# KiCad board Duet3_MB.kicad_pcb (continued)
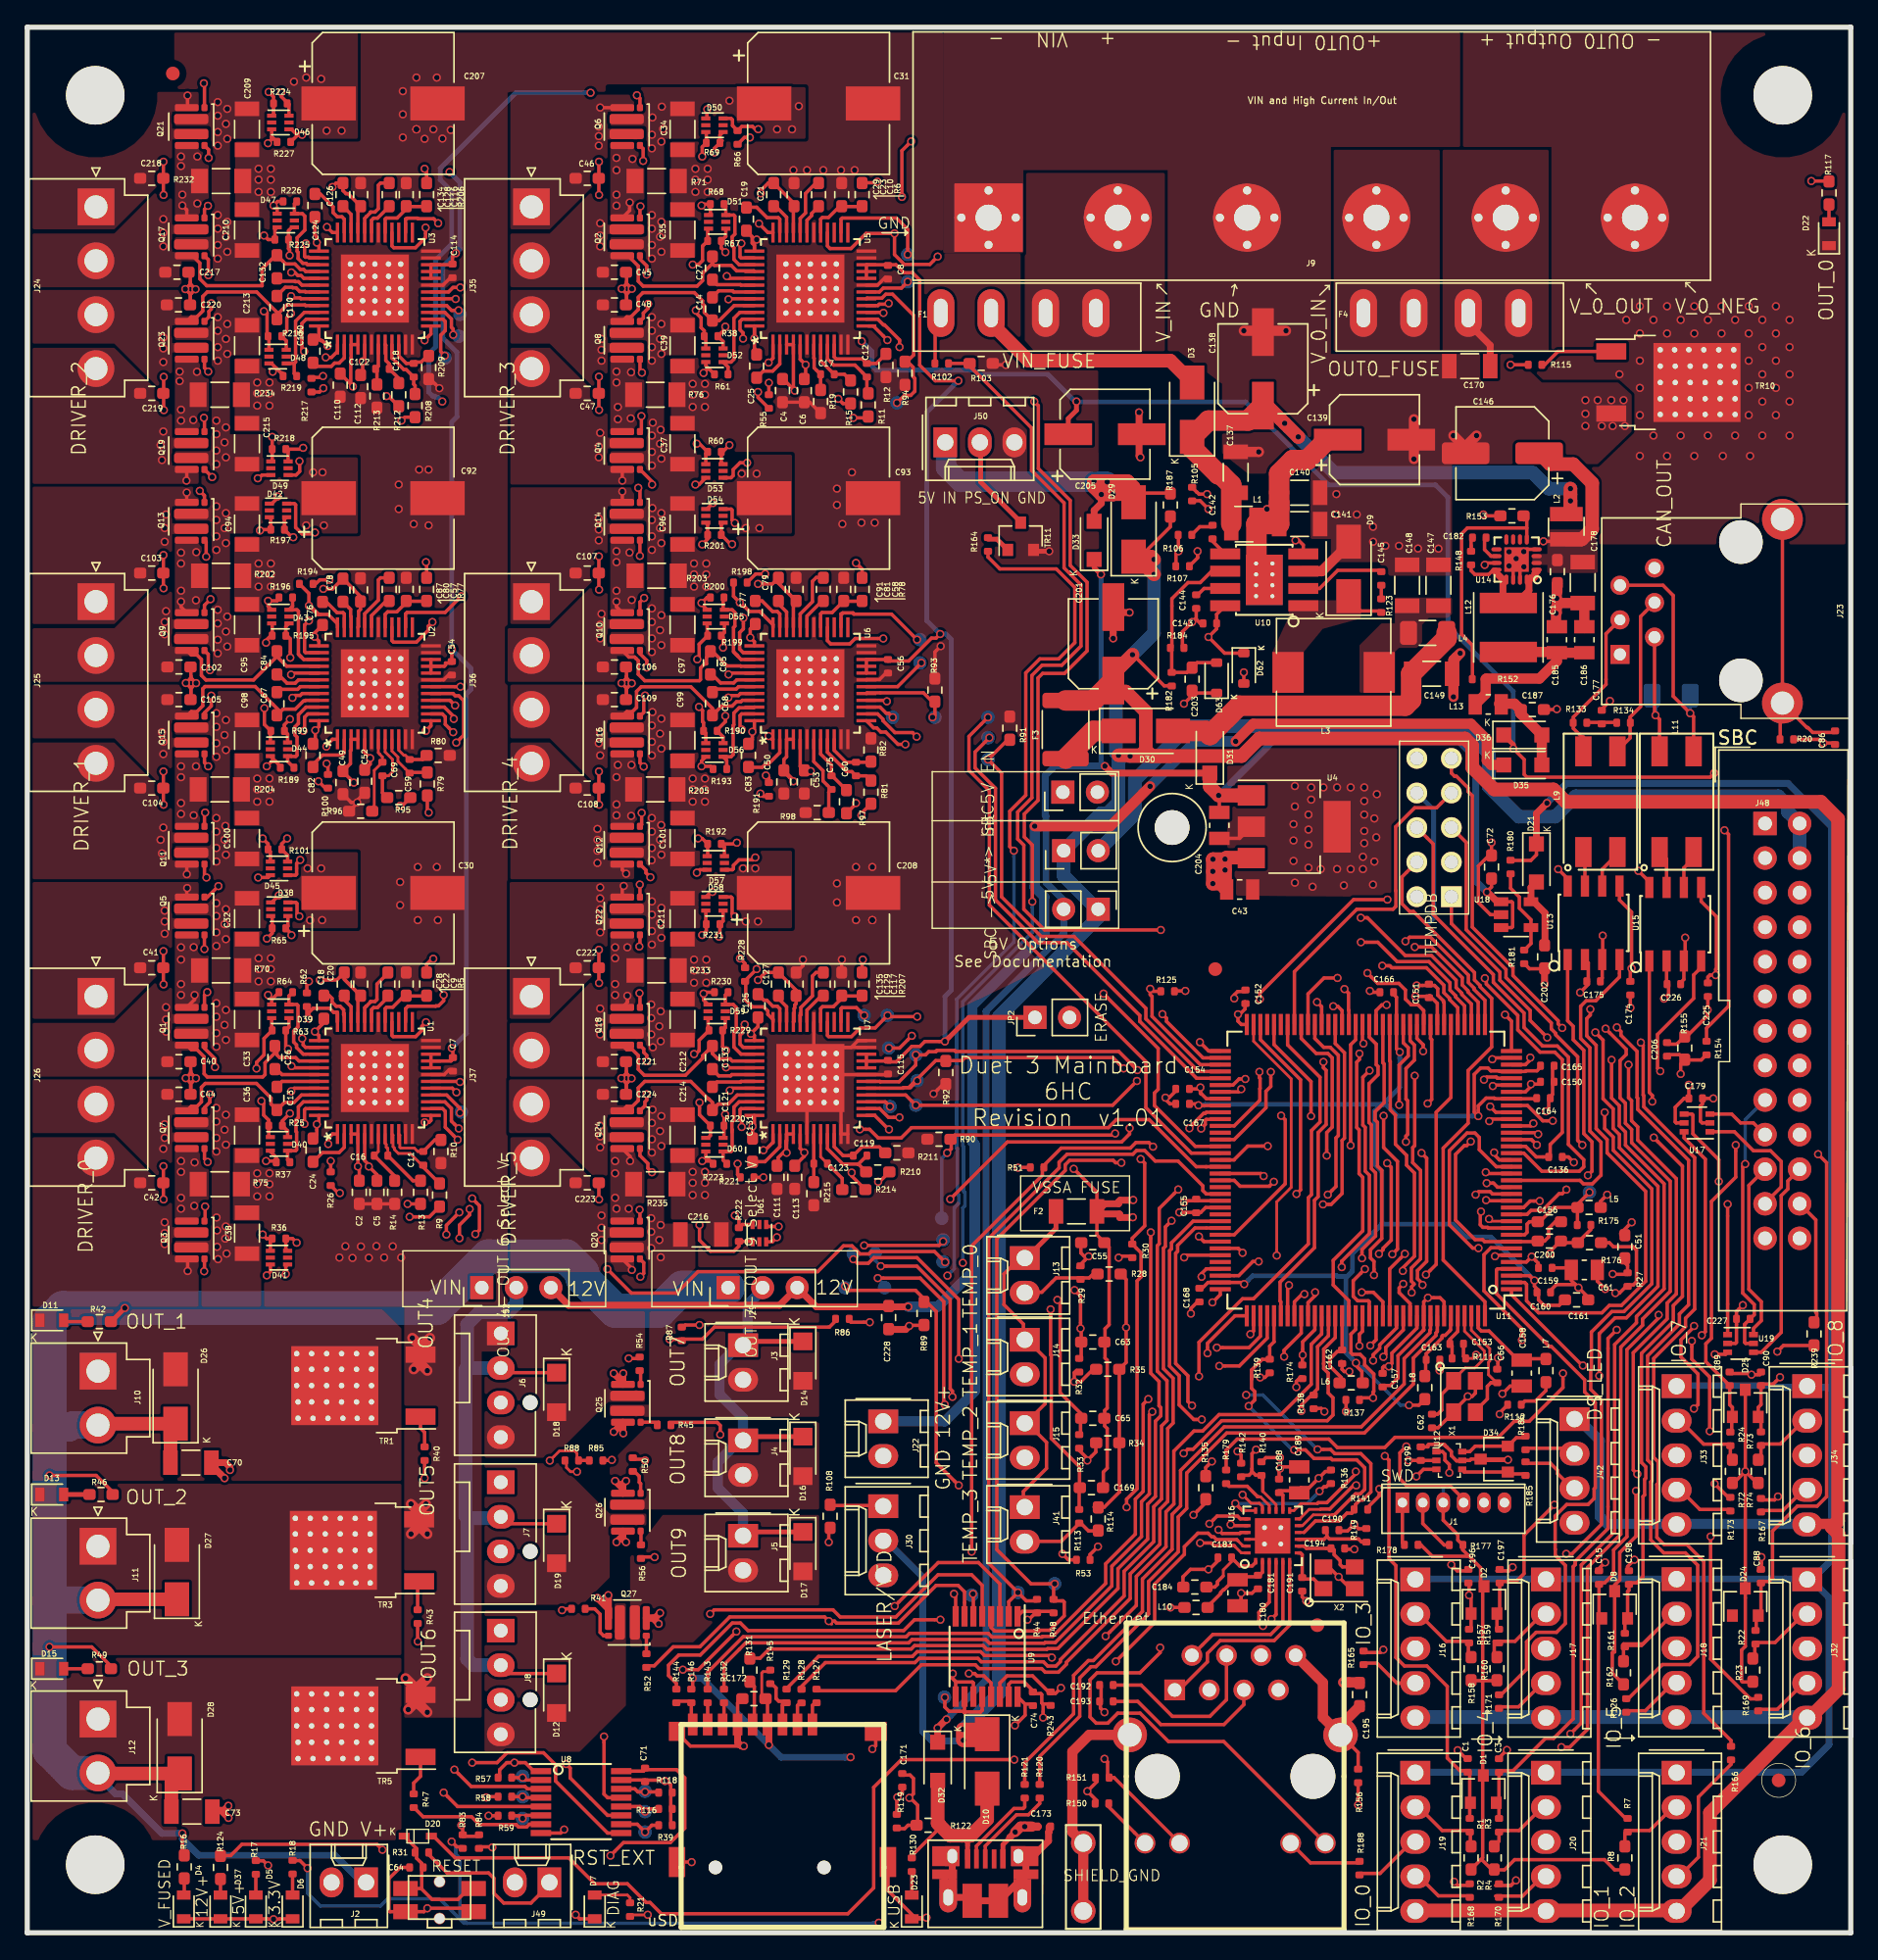
[diagram p0: board, top side]
## Footprints (pads in the part's own frame, mm; a bottom-side part is the same pattern mirrored in y, then rotated) (continued)
TestPoint_Pad_D1.0mm
  round 1 smd: 1(0,0)
TMC5160-TA
  rect 1.462x0.239 smd: 1(-4.115,2.75) 2(-4.115,2.25) 3(-4.115,1.75) 4(-4.115,1.25) 5(-4.115,0.75) 6(-4.115,0.25) 7(-4.115,-0.25) 8(-4.115,-0.75) 9(-4.115,-1.25) 10(-4.115,-1.75) 11(-4.115,-2.25) 12(-4.115,-2.75) 25(4.115,-2.75) 26(4.115,-2.25) 27(4.115,-1.75) 28(4.115,-1.25) 29(4.115,-0.75) 30(4.115,-0.25) 31(4.115,0.25) 32(4.115,0.75) 33(4.115,1.25) 34(4.115,1.75) 35(4.115,2.25) 36(4.115,2.75)
  rect 0.239x1.462 smd: 13(-2.75,-4.115) 14(-2.25,-4.115) 15(-1.75,-4.115) 16(-1.25,-4.115) 17(-0.75,-4.115) 18(-0.25,-4.115) 19(0.25,-4.115) 20(0.75,-4.115) 21(1.25,-4.115) 22(1.75,-4.115) 23(2.25,-4.115) 24(2.75,-4.115) 37(2.75,4.115) 38(2.25,4.115) 39(1.75,4.115) 40(1.25,4.115) 41(0.75,4.115) 42(0.25,4.115) 43(-0.25,4.115) 44(-0.75,4.115) 45(-1.25,4.115) 46(-1.75,4.115) 47(-2.25,4.115) 48(-2.75,4.115)
  round 0.6 hole 0.4: EPAD(-1.8,1.8) EPAD(-1.8,0.9) EPAD(-1.8,0) EPAD(-1.8,-1) EPAD(-1.8,-1.9) EPAD(-0.9,1.8) EPAD(-0.9,0.9) EPAD(-0.9,0) EPAD(-0.9,-1) EPAD(-0.9,-1.9) EPAD(0,1.8) EPAD(0,0.9) EPAD(0,0) EPAD(0,-1) EPAD(0,-1.9) EPAD(0.9,1.8) EPAD(0.9,0.9) EPAD(0.9,0) EPAD(0.9,-1) EPAD(0.9,-1.9) EPAD(1.8,1.8) EPAD(1.8,0.9) EPAD(1.8,0) EPAD(1.8,-1) EPAD(1.8,-1.9)
  rect 5.004x5.004 smd: EPAD(0,0)
TO-252-2_vias
  rect 3.05x2.75 smd: (0.425,1.525) (0.425,-1.525) (3.775,1.525) (3.775,-1.525)
  rect 2.2x1.2 smd: 1(-4.2,2.28) 3(-4.2,-2.28)
  round 0.6 hole 0.4: 2(-0.6,2.4) 2(-0.6,1.2) 2(-0.6,0) 2(-0.6,-1.2) 2(-0.6,-2.35) 2(0.45,2.4) 2(0.5,1.2) 2(0.5,0) 2(0.5,-1.2) 2(0.5,-2.35) 2(1.5,2.4) 2(1.6,1.2) 2(1.6,0) 2(1.6,-1.2) 2(1.6,-2.35) 2(2.6,2.4) 2(2.7,1.2) 2(2.7,0) 2(2.7,-1.2) 2(2.7,-2.35) 2(3.7,2.4) 2(3.8,1.2) 2(3.8,0) 2(3.8,-1.2) 2(3.8,-2.35) 2(4.8,2.4) 2(4.8,1.2) 2(4.9,0) 2(4.9,-1.2) 2(4.9,-2.35)
  rect 6.4x5.8 smd: 2(2.1,0)
TSSOP-16_4.4x5mm_P0.65mm
  rect 1.5x0.45 smd: 1(-2.95,2.275) 2(-2.95,1.625) 3(-2.95,0.975) 4(-2.95,0.325) 5(-2.95,-0.325) 6(-2.95,-0.975) 7(-2.95,-1.625) 8(-2.95,-2.275) 9(2.95,-2.275) 10(2.95,-1.625) 11(2.95,-0.975) 12(2.95,-0.325) 13(2.95,0.325) 14(2.95,0.975) 15(2.95,1.625) 16(2.95,2.275)
uSD_SKT
  round 1 hole 1 unplated: (-4.93,0) (3.051,0)
  rect 0.701x1.6 smd: 1(2.2,10.5) 2(1.1,10.5) 3(0,10.5) 4(-1.1,10.5) 5(-2.2,10.5) 6(-3.299,10.5) 7(-4.399,10.5) 8(-5.499,10.5) 9(-6.599,10.5)
  rect 1.199x1.4 smd: G(-7.75,10)
  rect 1.199x2.2 smd: G(-7.75,0.399) G(7.75,0.399)
  rect 1.6x1.4 smd: G(6.85,10)
uUSB_new
  rect 0.4x1.4 smd: 1(-1.3,2.825) 5(1.3,2.825)
  rect 0.34x1.4 smd: 2(-0.65,2.825) 3(0,2.825) 4(0.65,2.825)
  rect 1.825x0.7 smd: CE(-2.987,1.7) CE(2.987,1.7)
  rect 2x1.46 smd: CE(-2.9,3.03) CE(2.9,3.03)
  rect 1.3x0.8 smd: CE(-2.725,0.95) CE(2.725,0.95)
  oval 1.3x2.2 hole 0.711x1.2: CE(-2.725,0) CE(2.725,0)
  rect 1.05x1.46 hole 0.711x1.05: CE(-2.425,3.03) CE(2.425,3.03)
  rect 1.425x2.5 smd: CE(-0.963,-0.25) CE(0.963,-0.25)
Wurth_61900211121-1x02_P2.54mm_Vertical-(Molex_KK-254_AE-6410-02Acompatible)
  rect 1.74x2.2 hole 1.2: 1(-1.27,0)
  oval 1.74x2.2 hole 1.2: 2(1.27,0)
Wurth_61900311121-1x03_P2.54mm_Vertical(Molex_KK-254_AE-6410-03A_Compatible)
  rect 1.74x2.2 hole 1.2: 1(-2.54,0)
  oval 1.74x2.2 hole 1.2: 2(0,0) 3(2.54,0)
Wurth_61900411121-1x04_P2.54mm_Vertical(Molex_KK-254_AE-6410-04A_Compatible)
  rect 1.74x2.2 hole 1.2: 1(-3.81,0)
  oval 1.74x2.2 hole 1.2: 2(-1.27,0) 3(1.27,0) 4(3.81,0)
Wurth_61900511121-1x05_P2.54mm_Vertical(Molex_KK-254_AE-6410-05A_Compatibe)
  rect 1.74x2.2 hole 1.2: 1(-5.08,0)
  oval 1.74x2.2 hole 1.2: 2(-2.54,0) 3(0,0) 4(2.54,0) 5(5.08,0)

## Nets
3.3V_EXT: D21.1 J16.1 J17.1 J18.1 J19.1 J20.1 J21.1 J32.1 J33.1 J34.1 R180.1
5V_EXT: C201.1 D10.1 D29.1 F3.1 J16.5 J17.5 J18.5 J19.5 J20.5 J21.5 J30.2 J32.5 J33.5 J34.5 J42.1 JP4.1 JP5.1 R182.1 R187.1
5V_EXT_INPUT: D29.2 D33.2 J50.1 R187.2
5V_INT: C71.1 C72.1 C74.1 C175.1 C199.1 C203.1 C204.1 C226.1 D31.1 D32.1 D33.1 D34.3 D63.1 JP5.2 R17.1 U4.1 U8.16 U9.16 U12.5 U13.3 U15.3 U18.1 U18.3
5V_SBC: J48.2 J48.4 JP4.2
12V_EXT: C228.1 D35.1 J22.1 J29.3 J52.3 R124.1
12V_MON: C206.1 R154.2 R155.1 U11.27
12V_VG: C2.2 C4.2 C49.2 C50.2 C110.2 C111.2 C205.1 D36.1 R154.1 U1.3 U1.4 U2.3 U2.4 U3.3 U3.4 U5.3 U5.4 U6.3 U6.4 U7.3 U7.4
+3.3V: C7.2 C8.2 C43.1 C54.2 C56.2 C61.1 C114.2 C115.2 C150.1 C151.1 C152.1 C154.1 C155.1 C157.1 C159.1 C172.1 C174.1 C179.1 C188.1 C189.1 C225.1 D1.3 D2.3 D8.3 D24.3 D25.3 J1.3 J27.4 J28.8 JP2.1 L5.1 L10.1 R2.2 R4.2 R8.2 R18.1 R23.2 R30.2 R72.2 R74.2 R83.2 R87.2 R88.2 R112.1 R125.2 R136.1 R139.1 R140.2 R141.1 R145.2 R146.2 R150.1 R151.1 R158.2 R160.2 R162.2 R177.2 R178.2 U1.20 U1.21 U1.22 U2.20 U2.21 U2.22 U3.20 U3.21 U3.22 U4.3 U5.20 U5.21 U5.22 U6.20 U6.21 U6.22 U7.20 U7.21 U7.22 U11.5 U11.30 U11.43 U11.72 U11.80 U11.96 U11.134 U13.5 U15.5 U16.14 U17.5
/Power/3V3_EXT_ADJ: R180.2 R181.1 U18.4
/Power/3V3_EXT_OUT: C202.1 D21.2 U18.5
/Power/5V_common: C149.1 D30.2 D31.2 L4.1
/Power/5VIN_BUCK_BS: C145.2 U10.2
/Power/5VIN_BUCK_COMP: C142.1 U10.5
/Power/5VIN_BUCK_EN: C143.1 D62.1 JP1.2 U10.8
/Power/5VIN_BUCK_FB: C203.2 D63.2 R182.2 R184.1 U10.6
/Power/5VIN_BUCK_FSW: R107.1 U10.4
/Power/5VIN_BUCK_IN: C139.1 C140.1 C141.1 L1.1 R105.1 U10.9
/Power/5VIN_BUCK_SS: C144.2 U10.7
/Power/12V_BST: C182.2 U14.10
/Power/12V_FB: R152.2 R153.1 U14.5
/Power/12V_VCC: C146.1 C176.1 C178.1 L2.1 U14.2 U14.3 U14.11
/Power/12V_VSW: L12.2 R148.2 U14.1 U14.12 U14.13 U14.16
/Processor/VDDCORE: C160.1 C161.1 C164.1 C165.1 C166.1 C167.1 C168.1 L6.2 L8.2 U11.3 U11.29 U11.33 U11.50 U11.81 U11.107
/Processor/VDDPLL: C162.1 L6.1 U11.123
/Processor/VDDPLLUSB: C158.1 L7.1 U11.143
/Processor/VDDUTMIC: C163.1 L8.1 U11.139
/sheet5B64A4E5/VDD_1V2: C183.1 C184.1 U16.1
/sheet5B64A4E5/VDDA_3V3: C180.1 C181.1 L10.2 U16.2
GND: C1.2 C2.1 C3.2 C4.1 C5.1 C6.1 C7.1 C8.1 C9.1 C10.1 C15.2 C28.2 C29.2 C30.2 C31.2 C32.1 C33.1 C34.1 C35.1 C36.1 C37.1 C38.1 C39.1 C40.1 C41.1 C42.1 C43.2 C44.1 C45.1 C46.1 C47.1 C48.1 C49.1 C50.1 C51.2 C52.1 C53.1 C54.1 C56.1 C57.1 C58.1 C61.2 C62.2 C64.2 C66.2 C70.2 C71.2 C72.2 C73.2 C74.2 C86.2 C87.2 C88.2 C89.2 C90.2 C91.2 C92.2 C93.2 C94.1 C95.1 C96.1 C97.1 C98.1 C99.1 C100.1 C101.1 C102.1 C103.1 C104.1 C105.1 C106.1 C107.1 C108.1 C109.1 C110.1 C111.1 C112.1 C113.1 C114.1 C115.1 C116.1 C117.1 C134.2 C135.2 C136.2 C137.2 C138.2 C139.2 C140.2 C141.2 C143.2 C144.1 C146.2 C147.2 C148.2 C149.2 C150.2 C151.2 C152.2 C153.2 C154.2 C155.2 C157.2 C158.2 C159.2 C160.2 C161.2 C162.2 C163.2 C164.2 C165.2 C166.2 C167.2 C168.2 C170.2 C171.2 C172.2 C173.2 C174.2 C175.2 C176.2 C177.1 C178.2 C179.2 C180.2 C181.2 C183.2 C184.2 C185.2 C186.2 C187.2 C188.2 C189.2 C190.1 C191.1 C192.2 C193.2 C194.1 C195.1 C196.2 C197.2 C198.2 C199.2 C201.2 C202.2 C204.2 C205.2 C206.2 C207.2 C208.2 C209.1 C210.1 C211.1 C212.1 C213.1 C214.1 C215.1 C216.1 C217.1 C218.1 C219.1 C220.1 C221.1 C222.1 C223.1 C224.1 C225.2 C226.2 C227.2 C228.2 D4.1 D5.1 D6.1 D7.1 D9.2 D23.1 D37.1 D62.2 J1.6 J2.2 J6.1 J7.1 J8.1 J9.1 J9.3 J16.3 J17.3 J18.3 J19.3 J20.3 J21.3 J22.2 J27.6 J27.G J28.2 J30.3 J32.3 J33.3 J34.3 J42.4 J43.5 J48.6 J48.9 J48.14 J48.20 J48.25 J49.2 J50.3 NT1.2 NT2.2 Q25.2 Q25.3 Q26.2 Q26.3 Q27.2 Q27.3 R10.2 R12.2 R14.2 R19.2 R20.2 R39.1 R44.1 R48.1 R51.1 R53.1 R57.1 R58.1 R59.1 R70.1 R71.1 R75.1 R76.1 R80.2 R82.2 R89.2 R90.2 R91.2 R92.2 R93.2 R94.2 R96.2 R98.2 R103.2 R106.2 R107.2 R111.1 R116.1 R118.1 R119.2 R135.2 R137.2 R138.2 R142.2 R149.2 R153.2 R155.2 R156.1 R174.2 R181.2 R184.2 R188.2 R202.1 R203.1 R204.1 R205.1 R209.2 R211.2 R213.2 R215.2 R232.1 R233.1 R234.1 R235.1 R243.1 S1.1 S1.2 TR1.3 TR3.3 TR5.3 TR10.3 TR11.2 U1.6 U1.11 U1.12 U1.19 U1.23 U1.24 U1.30 U1.EPAD U2.6 U2.11 U2.12 U2.19 U2.23 U2.24 U2.30 U2.EPAD U3.6 U3.11 U3.12 U3.19 U3.23 U3.24 U3.30 U3.EPAD U4.2 U4.4 U5.6 U5.11 U5.12 U5.19 U5.23 U5.24 U5.30 U5.EPAD U6.6 U6.11 U6.12 U6.19 U6.23 U6.24 U6.30 U6.EPAD U7.6 U7.11 U7.12 U7.19 U7.23 U7.24 U7.30 U7.EPAD U8.1 U8.8 U8.15 U9.1 U9.8 U9.15 U10.3 U11.44 U11.61 U11.95 U11.115 U11.135 U11.138 U12.2 U13.2 U13.8 U14.4 U14.14 U14.15 U14.17 U15.2 U15.8 U16.22 U16.25 U17.2 U18.2 U19.2 X1.2 X1.4 X2.2 X2.4
VBUS: D10.2 D32.2 J43.1 R122.1 R130.1
VBUS_DETECT: C171.1 R119.1 R122.2 U11.122
VIN_POWER_MON: C136.1 R102.2 R103.1 U11.22
VSSA: F2.1 J13.1 J14.1 J15.1 J41.1 R27.1 R176.2
VSSA_MON: C51.1 R27.2 U11.19
/Headers/CAN_SHD_GND: C86.1 J23.7 J23.8 R20.1
/MOSFET outputs/out4_g: Q25.1 R54.1
/MOSFET outputs/out5_g: Q26.4 R56.1
/MOSFET outputs/out6_g: Q27.4 R41.1
/MOSFET outputs/out7_g: Q25.4 R45.1
/MOSFET outputs/out8_g: Q26.1 R50.1
/MOSFET outputs/out9_g: Q27.1 R52.1
/MOSFET outputs/TR1_G: R40.1 TR1.1
/MOSFET outputs/TR3_G: R43.1 TR3.1
/MOSFET outputs/TR5_G: R47.1 TR5.1
/MOSFET outputs/TR10_G: R115.1 TR10.1
/MOSFET outputs/U12_OUTA: D34.2 R186.2 U12.6
/MOSFET outputs/U12_OUTB: D34.1 R185.2 U12.4
/Power/12_VOUT: C185.1 C186.1 L12.1 L13.2 R152.1
/Power/COMP_CAP_R: C142.2 R106.1
/Power/EN_JP_1: JP1.1 R105.2
/Power/L3_OUT: C147.1 C148.1 L3.1 L4.2
/Power/L9_OUT: C187.1 D35.2 D36.2 L13.1
/Power/LX: D9.1 L3.2 R123.1 U10.1
/Power/TR11_G: R164.1 TR11.1
/Processor/io0_out: R168.1 U11.53
/Processor/io1_out: R170.1 U11.78
/Processor/io2_out: R166.1 U11.47
/Processor/io3_out: R165.1 U11.91
/Processor/io4_out: R171.2 U11.4
/Processor/io5_out: R126.1 U11.63
/Processor/io6_out: R169.1 U11.102
/Processor/io7_out: R173.2 U11.127
/Processor/io8_out: R167.1 U11.6
/Processor/NC_JSEL: U11.104
/Processor/NC_TST: U11.85
/Processor/rst: C64.1 D20.1 R31.2 S1.3 S1.4
/Processor/VBG: C153.1 R111.2 U11.140
/Processor/XIN: C66.1 U11.142 X1.3
/Processor/XOUT: C62.1 U11.141 X1.1
/sheet5B64A4E5/CAN1H_C: L9.1 U13.7
/sheet5B64A4E5/CAN1L_C: L9.2 U13.6
/sheet5B64A4E5/CLK: J27.5 R131.1
/sheet5B64A4E5/CMD: J27.3 R129.1 R145.1
/sheet5B64A4E5/DAT0: J27.7 R132.1
/sheet5B64A4E5/DAT1: J27.8 R143.1
/sheet5B64A4E5/DAT2: J27.1 R127.1
/sheet5B64A4E5/DAT3: J27.2 R128.1
/sheet5B64A4E5/LED0: J46.10 R151.2 U16.23
/sheet5B64A4E5/RD+: J46.3 U16.4
/sheet5B64A4E5/RD-: J46.6 U16.3
/sheet5B64A4E5/REF_CLK: R179.2 U16.16
/sheet5B64A4E5/REXT: C190.2 R149.1 U16.9
/sheet5B64A4E5/SD_cd: J27.9 R144.1 R146.1
/sheet5B64A4E5/SHIELD_GND: C195.2 J45.1 J46.8 J46.13 J46.14 R156.2
/sheet5B64A4E5/TD+: J46.1 U16.6
/sheet5B64A4E5/TD-: J46.2 U16.5
/sheet5B64A4E5/XI: C194.2 U16.8 X2.3
/sheet5B64A4E5/XO: C191.2 U16.7 X2.1
/Stepper Driver & Endstops/D0_5VOUT: C5.2 R5.1 U1.5
/Stepper Driver & Endstops/D0_CA1: C26.2 U1.42
/Stepper Driver & Endstops/D0_CA2: C18.2 U1.35
/Stepper Driver & Endstops/D0_CB1: C24.2 U1.2
/Stepper Driver & Endstops/D0_CB2: C13.2 U1.43
/Stepper Driver & Endstops/D0_CPI: C22.2 U1.31
/Stepper Driver & Endstops/D0_CPO: C22.1 U1.32
/Stepper Driver & Endstops/D0_HA1: D39.4 R63.1 U1.41
/Stepper Driver & Endstops/D0_HA2: D38.6 R62.1 U1.36
/Stepper Driver & Endstops/D0_HAG1: D39.3 Q1.4 R63.2
/Stepper Driver & Endstops/D0_HAG2: D38.1 Q5.1 R62.2
/Stepper Driver & Endstops/D0_HB1: D41.4 R26.1 U1.1
/Stepper Driver & Endstops/D0_HB2: D40.6 R25.1 U1.44
/Stepper Driver & Endstops/D0_HBG1: D41.3 Q3.4 R26.2
/Stepper Driver & Endstops/D0_HBG2: D40.1 Q7.1 R25.2
/Stepper Driver & Endstops/D0_LA1: D39.6 R64.1 U1.39
/Stepper Driver & Endstops/D0_LA2: D38.4 R65.1 U1.38
/Stepper Driver & Endstops/D0_LAG1: D39.1 Q1.1 R64.2
/Stepper Driver & Endstops/D0_LAG2: D38.3 Q5.4 R65.2
/Stepper Driver & Endstops/D0_LB1: D41.6 R36.1 U1.47
/Stepper Driver & Endstops/D0_LB2: D40.4 R37.1 U1.46
/Stepper Driver & Endstops/D0_LBG1: D41.1 Q3.1 R36.2
/Stepper Driver & Endstops/D0_LBG2: D40.3 Q7.4 R37.2
/Stepper Driver & Endstops/D0_SRAH: C16.2 R13.1 U1.8
/Stepper Driver & Endstops/D0_SRAL: C16.1 R14.1 U1.7
/Stepper Driver & Endstops/D0_SRAT: Q1.2 Q5.3 R13.2 R70.2
/Stepper Driver & Endstops/D0_SRBH: C11.2 R9.1 U1.9
/Stepper Driver & Endstops/D0_SRBL: C11.1 R10.1 U1.10
/Stepper Driver & Endstops/D0_SRBT: Q3.2 Q7.3 R9.2 R75.2
/Stepper Driver & Endstops/D0_VCC: C9.2 R5.2 U1.29
/Stepper Driver & Endstops/D0_VCP: C20.1 U1.34
/Stepper Driver & Endstops/D1_5VOUT: C52.2 R77.1 U2.5
/Stepper Driver & Endstops/D1_CA1: C84.2 U2.42
/Stepper Driver & Endstops/D1_CA2: C76.2 U2.35
/Stepper Driver & Endstops/D1_CB1: C82.2 U2.2
/Stepper Driver & Endstops/D1_CB2: C67.2 U2.43
/Stepper Driver & Endstops/D1_CPI: C80.2 U2.31
/Stepper Driver & Endstops/D1_CPO: C80.1 U2.32
/Stepper Driver & Endstops/D1_HA1: D43.4 R195.1 U2.41
/Stepper Driver & Endstops/D1_HA2: D42.6 R194.1 U2.36
/Stepper Driver & Endstops/D1_HAG1: D43.3 Q9.4 R195.2
/Stepper Driver & Endstops/D1_HAG2: D42.1 Q13.1 R194.2
/Stepper Driver & Endstops/D1_HB1: D45.4 R100.1 U2.1
/Stepper Driver & Endstops/D1_HB2: D44.6 R99.1 U2.44
/Stepper Driver & Endstops/D1_HBG1: D45.3 Q11.4 R100.2
/Stepper Driver & Endstops/D1_HBG2: D44.1 Q15.1 R99.2
/Stepper Driver & Endstops/D1_LA1: D43.6 R196.1 U2.39
/Stepper Driver & Endstops/D1_LA2: D42.4 R197.1 U2.38
/Stepper Driver & Endstops/D1_LAG1: D43.1 Q9.1 R196.2
/Stepper Driver & Endstops/D1_LAG2: D42.3 Q13.4 R197.2
/Stepper Driver & Endstops/D1_LB1: D45.6 R101.1 U2.47
/Stepper Driver & Endstops/D1_LB2: D44.4 R189.1 U2.46
/Stepper Driver & Endstops/D1_LBG1: D45.1 Q11.1 R101.2
/Stepper Driver & Endstops/D1_LBG2: D44.3 Q15.4 R189.2
/Stepper Driver & Endstops/D1_SRAH: C69.2 R95.1 U2.8
/Stepper Driver & Endstops/D1_SRAL: C69.1 R96.1 U2.7
/Stepper Driver & Endstops/D1_SRAT: Q9.2 Q13.3 R95.2 R202.2
/Stepper Driver & Endstops/D1_SRBH: C59.2 R79.1 U2.9
/Stepper Driver & Endstops/D1_SRBL: C59.1 R80.1 U2.10
/Stepper Driver & Endstops/D1_SRBT: Q11.2 Q15.3 R79.2 R204.2
/Stepper Driver & Endstops/D1_VCC: C57.2 R77.2 U2.29
/Stepper Driver & Endstops/D1_VCP: C78.1 U2.34
/Stepper Driver & Endstops/D2_5VOUT: C112.2 R206.1 U3.5
/Stepper Driver & Endstops/D2_CA1: C132.2 U3.42
/Stepper Driver & Endstops/D2_CA2: C124.2 U3.35
/Stepper Driver & Endstops/D2_CB1: C130.2 U3.2
/Stepper Driver & Endstops/D2_CB2: C120.2 U3.43
/Stepper Driver & Endstops/D2_CPI: C128.2 U3.31
/Stepper Driver & Endstops/D2_CPO: C128.1 U3.32
/Stepper Driver & Endstops/D2_HA1: D47.4 R225.1 U3.41
/Stepper Driver & Endstops/D2_HA2: D46.6 R224.1 U3.36
/Stepper Driver & Endstops/D2_HAG1: D47.3 Q17.4 R225.2
/Stepper Driver & Endstops/D2_HAG2: D46.1 Q21.1 R224.2
/Stepper Driver & Endstops/D2_HB1: D49.4 R217.1 U3.1
/Stepper Driver & Endstops/D2_HB2: D48.6 R216.1 U3.44
/Stepper Driver & Endstops/D2_HBG1: D49.3 Q19.4 R217.2
/Stepper Driver & Endstops/D2_HBG2: D48.1 Q23.1 R216.2
/Stepper Driver & Endstops/D2_LA1: D47.6 R226.1 U3.39
/Stepper Driver & Endstops/D2_LA2: D46.4 R227.1 U3.38
/Stepper Driver & Endstops/D2_LAG1: D47.1 Q17.1 R226.2
/Stepper Driver & Endstops/D2_LAG2: D46.3 Q21.4 R227.2
/Stepper Driver & Endstops/D2_LB1: D49.6 R218.1 U3.47
/Stepper Driver & Endstops/D2_LB2: D48.4 R219.1 U3.46
/Stepper Driver & Endstops/D2_LBG1: D49.1 Q19.1 R218.2
/Stepper Driver & Endstops/D2_LBG2: D48.3 Q23.4 R219.2
/Stepper Driver & Endstops/D2_SRAH: C122.2 R212.1 U3.8
/Stepper Driver & Endstops/D2_SRAL: C122.1 R213.1 U3.7
/Stepper Driver & Endstops/D2_SRAT: Q17.2 Q21.3 R212.2 R232.2
/Stepper Driver & Endstops/D2_SRBH: C118.2 R208.1 U3.9
/Stepper Driver & Endstops/D2_SRBL: C118.1 R209.1 U3.10
/Stepper Driver & Endstops/D2_SRBT: Q19.2 Q23.3 R208.2 R234.2
/Stepper Driver & Endstops/D2_VCC: C116.2 R206.2 U3.29
/Stepper Driver & Endstops/D2_VCP: C126.1 U3.34
/Stepper Driver & Endstops/D3_5VOUT: C6.2 R6.1 U5.5
/Stepper Driver & Endstops/D3__SRBL: C12.1 R12.1 U5.10
/Stepper Driver & Endstops/D3_CA1: C27.2 U5.42
/Stepper Driver & Endstops/D3_CA2: C19.2 U5.35
/Stepper Driver & Endstops/D3_CB1: C25.2 U5.2
/Stepper Driver & Endstops/D3_CB2: C14.2 U5.43
/Stepper Driver & Endstops/D3_CPI: C23.2 U5.31
/Stepper Driver & Endstops/D3_CPO: C23.1 U5.32
/Stepper Driver & Endstops/D3_HA1: D51.4 R67.1 U5.41
/Stepper Driver & Endstops/D3_HA2: D50.6 R66.1 U5.36
/Stepper Driver & Endstops/D3_HAG1: D51.3 Q2.4 R67.2
/Stepper Driver & Endstops/D3_HAG2: D50.1 Q6.1 R66.2
/Stepper Driver & Endstops/D3_HB1: D53.4 R55.1 U5.1
/Stepper Driver & Endstops/D3_HB2: D52.6 R38.1 U5.44
/Stepper Driver & Endstops/D3_HBG1: D53.3 Q4.4 R55.2
/Stepper Driver & Endstops/D3_HBG2: D52.1 Q8.1 R38.2
/Stepper Driver & Endstops/D3_LA1: D51.6 R68.1 U5.39
/Stepper Driver & Endstops/D3_LA2: D50.4 R69.1 U5.38
/Stepper Driver & Endstops/D3_LAG1: D51.1 Q2.1 R68.2
/Stepper Driver & Endstops/D3_LAG2: D50.3 Q6.4 R69.2
/Stepper Driver & Endstops/D3_LB1: D53.6 R60.1 U5.47
/Stepper Driver & Endstops/D3_LB2: D52.4 R61.1 U5.46
/Stepper Driver & Endstops/D3_LBG1: D53.1 Q4.1 R60.2
/Stepper Driver & Endstops/D3_LBG2: D52.3 Q8.4 R61.2
/Stepper Driver & Endstops/D3_SRAH: C17.2 R15.1 U5.8
/Stepper Driver & Endstops/D3_SRAL: C17.1 R19.1 U5.7
/Stepper Driver & Endstops/D3_SRAT: Q2.2 Q6.3 R15.2 R71.2
/Stepper Driver & Endstops/D3_SRBH: C12.2 R11.1 U5.9
/Stepper Driver & Endstops/D3_SRBT: Q4.2 Q8.3 R11.2 R76.2
/Stepper Driver & Endstops/D3_VCC: C10.2 R6.2 U5.29
/Stepper Driver & Endstops/D3_VCP: C21.1 U5.34
/Stepper Driver & Endstops/D4_5VOUT: C53.2 R78.1 U6.5
/Stepper Driver & Endstops/D4__HAG1: D55.3 Q10.4 R199.2
/Stepper Driver & Endstops/D4_CA1: C85.2 U6.42
/Stepper Driver & Endstops/D4_CA2: C77.2 U6.35
/Stepper Driver & Endstops/D4_CB1: C83.2 U6.2
/Stepper Driver & Endstops/D4_CB2: C68.2 U6.43
/Stepper Driver & Endstops/D4_CPI: C81.2 U6.31
/Stepper Driver & Endstops/D4_CPO: C81.1 U6.32
/Stepper Driver & Endstops/D4_HA1: D55.4 R199.1 U6.41
/Stepper Driver & Endstops/D4_HA2: D54.6 R198.1 U6.36
/Stepper Driver & Endstops/D4_HAG2: D54.1 Q14.1 R198.2
/Stepper Driver & Endstops/D4_HB1: D57.4 R191.1 U6.1
/Stepper Driver & Endstops/D4_HB2: D56.6 R190.1 U6.44
/Stepper Driver & Endstops/D4_HBG1: D57.3 Q12.4 R191.2
/Stepper Driver & Endstops/D4_HBG2: D56.1 Q16.1 R190.2
/Stepper Driver & Endstops/D4_LA1: D55.6 R200.1 U6.39
/Stepper Driver & Endstops/D4_LA2: D54.4 R201.1 U6.38
/Stepper Driver & Endstops/D4_LAG1: D55.1 Q10.1 R200.2
/Stepper Driver & Endstops/D4_LAG2: D54.3 Q14.4 R201.2
/Stepper Driver & Endstops/D4_LB1: D57.6 R192.1 U6.47
/Stepper Driver & Endstops/D4_LB2: D56.4 R193.1 U6.46
/Stepper Driver & Endstops/D4_LBG1: D57.1 Q12.1 R192.2
/Stepper Driver & Endstops/D4_LBG2: D56.3 Q16.4 R193.2
/Stepper Driver & Endstops/D4_SRAH: C75.2 R97.1 U6.8
/Stepper Driver & Endstops/D4_SRAL: C75.1 R98.1 U6.7
/Stepper Driver & Endstops/D4_SRAT: Q10.2 Q14.3 R97.2 R203.2
/Stepper Driver & Endstops/D4_SRBH: C60.2 R81.1 U6.9
/Stepper Driver & Endstops/D4_SRBL: C60.1 R82.1 U6.10
/Stepper Driver & Endstops/D4_SRBT: Q12.2 Q16.3 R81.2 R205.2
/Stepper Driver & Endstops/D4_VCC: C58.2 R78.2 U6.29
/Stepper Driver & Endstops/D4_VCP: C79.1 U6.34
/Stepper Driver & Endstops/D5_5VOUT: C113.2 R207.1 U7.5
/Stepper Driver & Endstops/D5_CA1: C133.2 U7.42
/Stepper Driver & Endstops/D5_CA2: C125.2 U7.35
/Stepper Driver & Endstops/D5_CB1: C131.2 U7.2
/Stepper Driver & Endstops/D5_CB2: C121.2 U7.43
/Stepper Driver & Endstops/D5_CPI: C129.2 U7.31
/Stepper Driver & Endstops/D5_CPO: C129.1 U7.32
/Stepper Driver & Endstops/D5_HA1: D59.4 R229.1 U7.41
/Stepper Driver & Endstops/D5_HA2: D58.6 R228.1 U7.36
/Stepper Driver & Endstops/D5_HAG1: D59.3 Q18.4 R229.2
/Stepper Driver & Endstops/D5_HAG2: D58.1 Q22.1 R228.2
/Stepper Driver & Endstops/D5_HB1: D61.4 R221.1 U7.1
/Stepper Driver & Endstops/D5_HB2: D60.6 R220.1 U7.44
/Stepper Driver & Endstops/D5_HBG1: D61.3 Q20.4 R221.2
/Stepper Driver & Endstops/D5_HBG2: D60.1 Q24.1 R220.2
/Stepper Driver & Endstops/D5_LA1: D59.6 R230.1 U7.39
/Stepper Driver & Endstops/D5_LA2: D58.4 R231.1 U7.38
/Stepper Driver & Endstops/D5_LAG1: D59.1 Q18.1 R230.2
/Stepper Driver & Endstops/D5_LAG2: D58.3 Q22.4 R231.2
/Stepper Driver & Endstops/D5_LB1: D61.6 R222.1 U7.47
/Stepper Driver & Endstops/D5_LB2: D60.4 R223.1 U7.46
/Stepper Driver & Endstops/D5_LBG1: D61.1 Q20.1 R222.2
/Stepper Driver & Endstops/D5_LBG2: D60.3 Q24.4 R223.2
/Stepper Driver & Endstops/D5_SRAH: C123.2 R214.1 U7.8
/Stepper Driver & Endstops/D5_SRAL: C123.1 R215.1 U7.7
/Stepper Driver & Endstops/D5_SRAT: Q18.2 Q22.3 R214.2 R233.2
/Stepper Driver & Endstops/D5_SRBH: C119.2 R210.1 U7.9
/Stepper Driver & Endstops/D5_SRBL: C119.1 R211.1 U7.10
/Stepper Driver & Endstops/D5_SRBT: Q20.2 Q24.3 R210.2 R235.2
/Stepper Driver & Endstops/D5_VCC: C117.2 R207.2 U7.29
/Stepper Driver & Endstops/D5_VCP: C127.1 U7.34
CAN0_H: J23.2 L11.4 R109.1
CAN0_L: J23.5 L11.3 R109.2
CAN1_H: J23.3 L9.4 R133.1
CAN1_L: J23.4 L9.3 R134.2
CANRX0: U11.31 U15.4
CANRX1: U11.17 U13.4
CANTX0: U11.26 U15.1
CANTX1: U11.92 U13.1
DIAG_LED: R21.1 U11.120
DRIVER_0_A+: C18.1 C41.2 J26.1 Q5.2 Q5.6 U1.37
DRIVER_0_A-: C26.1 C40.2 J26.2 Q1.3 Q1.5 U1.40
DRIVER_0_B+: C13.1 C44.2 J26.3 Q7.2 Q7.6 U1.45
DRIVER_0_B-: C24.1 C42.2 J26.4 Q3.3 Q3.5 U1.48
DRIVER_0_DIAG0: TP3.1 U1.26 U11.108
DRIVER_0_DIR: TP2.1 U1.18 U11.109
DRIVER_0_SDO: TP18.1 U1.16 U2.15
DRIVER_0_STEP: R89.1 TP1.1 U1.17 U11.111
DRIVER_1_A+: C76.1 C103.2 J25.1 Q13.2 Q13.6 U2.37
DRIVER_1_A-: C84.1 C102.2 J25.2 Q9.3 Q9.5 U2.40
DRIVER_1_B+: C67.1 C105.2 J25.3 Q15.2 Q15.6 U2.45
DRIVER_1_B-: C82.1 C104.2 J25.4 Q11.3 Q11.5 U2.48
DRIVER_1_DIAG0: TP6.1 U2.26 U11.103
DRIVER_1_DIR: TP5.1 U2.18 U11.101
DRIVER_1_SDO: TP19.1 U2.16 U3.15
DRIVER_1_STEP: R90.1 TP4.1 U2.17 U11.100
DRIVER_2_A+: C124.1 C218.2 J24.1 Q21.2 Q21.6 U3.37
DRIVER_2_A-: C132.1 C217.2 J24.2 Q17.3 Q17.5 U3.40
DRIVER_2_B+: C120.1 C220.2 J24.3 Q23.2 Q23.6 U3.45
DRIVER_2_B-: C130.1 C219.2 J24.4 Q19.3 Q19.5 U3.48
DRIVER_2_DIAG0: TP29.1 U3.26 U11.88
DRIVER_2_DIR: TP28.1 U3.18 U11.77
DRIVER_2_SDO: TP20.1 U3.16 U5.15
DRIVER_2_STEP: R91.1 TP17.1 U3.17 U11.76
DRIVER_3_A+: C19.1 C46.2 J35.1 Q6.2 Q6.6 U5.37
DRIVER_3_A-: C27.1 C45.2 J35.2 Q2.3 Q2.5 U5.40
DRIVER_3_B+: C14.1 C48.2 J35.3 Q8.2 Q8.6 U5.45
DRIVER_3_B-: C25.1 C47.2 J35.4 Q4.3 Q4.5 U5.48
DRIVER_3_DIAG0: TP32.1 U5.26 U11.39
DRIVER_3_DIR: TP31.1 U5.18 U11.37
DRIVER_3_SDO: TP21.1 U5.16 U6.15
DRIVER_3_STEP: R94.1 TP30.1 U5.17 U11.38
DRIVER_4_A+: C77.1 C107.2 J36.1 Q14.2 Q14.6 U6.37
DRIVER_4_A-: C85.1 C106.2 J36.2 Q10.3 Q10.5 U6.40
DRIVER_4_B+: C68.1 C109.2 J36.3 Q16.2 Q16.6 U6.45
DRIVER_4_B-: C83.1 C108.2 J36.4 Q12.3 Q12.5 U6.48
DRIVER_4_DIAG0: TP35.1 U6.26 U11.2
DRIVER_4_DIR: TP34.1 U6.18 U11.40
DRIVER_4_SDO: TP22.1 U6.16 U7.15
DRIVER_4_STEP: R93.1 TP33.1 U6.17 U11.41
DRIVER_5_A+: C125.1 C222.2 J37.1 Q22.2 Q22.6 U7.37
DRIVER_5_A-: C133.1 C221.2 J37.2 Q18.3 Q18.5 U7.40
DRIVER_5_B+: C121.1 C224.2 J37.3 Q24.2 Q24.6 U7.45
DRIVER_5_B-: C131.1 C223.2 J37.4 Q20.3 Q20.5 U7.48
DRIVER_5_DIAG0: TP38.1 U7.26 U11.90
DRIVER_5_DIR: TP37.1 U7.18 U11.84
DRIVER_5_STEP: R92.1 TP36.1 U7.17 U11.86
DRIVER_CS: TP24.1 U1.13 U2.13 U3.13 U5.13 U6.13 U7.13 U11.74
DRIVER_ENN: R125.1 TP23.1 U1.28 U2.28 U3.28 U5.28 U6.28 U7.28 U11.75
DS_LED_CK_BUFF: J42.3 R185.1
DS_LED_DO_BUFF: J42.2 R186.1
ERASE: JP2.2 U11.87
ETH_LED_Y: J46.12 U11.117
GMDC: R139.2 U11.113 U16.11
GMDIO: R141.2 U11.110 U16.10
GRX0: R137.1 U11.125 U16.13
GRX1: R138.1 U11.121 U16.12
GRXDV: R140.1 R142.1 U11.126 U16.15
GRXER: R174.1 U11.119 U16.17
GTX0: U11.131 U16.20
GTX1: U11.128 U16.21
GTXCK: R179.1 U11.1
GTXEN: U11.132 U16.19
HSDM: R121.2 U11.136
HSDP: R120.2 U11.137
IO_0: C1.1 D1.1 R1.1 U11.52
IO_0_IN: J19.2 R1.2 R2.1
IO_0_OUT: J19.4 R168.2
IO_1: C3.1 D1.2 R3.1 U11.106
IO_1_IN: J20.2 R3.2 R4.1
IO_1_OUT: J20.4 R170.2
IO_2: C15.1 D8.1 R7.1 U11.71
IO_2_IN: J21.2 R7.2 R8.1
IO_2_OUT: J21.4 R166.2
IO_3: C196.1 D2.1 R157.1 U11.28
IO_3_IN: J16.2 R157.2 R158.1
IO_3_OUT: J16.4 R165.2
IO_4: C197.1 D2.2 R159.1 U11.34
IO_4_IN: J17.2 R159.2 R160.1
IO_4_OUT: J17.4 R171.1
IO_5: C198.1 D8.2 R161.1 U11.23
IO_5_IN: J18.2 R161.2 R162.1
IO_5_OUT: J18.4 R126.2
IO_6: C88.1 D24.2 R22.1 U11.24
IO_6_IN: J32.2 R22.2 R23.1
IO_6_OUT: J32.4 R169.2
IO_7: C89.1 D25.1 R24.1 U11.25
IO_7_IN: J33.2 R24.2 R72.1
IO_7_OUT: J33.4 R173.1
IO_8: C90.1 D25.2 R73.1 U11.10
IO_8_IN: J34.2 R73.2 R74.1
IO_8_OUT: J34.4 R167.2
MCCDA: R129.2 U11.112
MCCK: R131.2 U11.59
MCDA0: R132.2 U11.116
MCDA1: R143.2 U11.118
MCDA2: R127.2 U11.62
MCDA3: R128.2 U11.70
O4_TACHO: R86.2 U11.48
O5_TACHO: R85.2 U11.57
O6_TACHO: R84.2 U11.99
OUT_0: R53.2 TP7.1 U9.10 U9.12 U11.35
OUT_0_BUFF: R115.2 U9.9 U9.11
OUT_0_NEG: D22.1 J9.6 TR10.2
OUT_1: R57.2 TP8.1 U8.2 U11.56
OUT_1_BUFF: R40.2 U8.3
OUT_1_NEG: D11.1 D26.2 J10.1 TR1.2
OUT_2: R58.2 TP9.1 U8.4 U11.45
OUT_2_BUFF: R43.2 U8.5
OUT_2_NEG: D13.1 D27.2 J11.1 TR3.2
OUT_3: R59.2 TP10.1 U8.6 U11.64
OUT_3_BUFF: R47.2 U8.7
OUT_3_NEG: D15.1 D28.2 J12.1 TR5.2
OUT_4: R39.2 TP11.1 U8.10 U11.49
OUT_4_BUFF: R54.2 U8.9
OUT_4_NEG: D18.2 J6.4 Q25.5
OUT_4_TACHO: J6.3 R86.1 R87.1
OUT_5: R118.2 TP12.1 U8.14 U11.58
OUT_5_BUFF: R56.2 U8.13
OUT_5_NEG: D19.2 J7.4 Q26.6
OUT_5_TACHO: J7.3 R85.1 R88.1
OUT_6: R116.2 TP13.1 U8.12 U11.36
OUT_6_BUFF: R41.2 U8.11
OUT_6_NEG: D12.2 J8.4 Q27.6
OUT_6_TACHO: J8.3 R83.1 R84.1
OUT_7: R44.2 TP14.1 U9.2 U11.94
OUT_7_BUFF: R45.2 U9.3
OUT_7_NEG: D14.2 J3.2 Q25.6
OUT_8: R48.2 TP15.1 U9.4 U11.82
OUT_8_BUFF: R50.2 U9.5
OUT_8_NEG: D16.2 J4.2 Q26.5
OUT_9: R51.2 TP16.1 U9.6 U11.68
OUT_9_BUFF: R52.2 R108.1 U9.7
OUT_9_NEG: D17.2 J5.2 Q27.5
PHY_INTERRUPT: R136.2 U11.54 U16.18
PHY_RESET: R135.1 U11.98 U16.24
PS_ON: R243.2 U9.14 U11.66
PS_ON_BUFF: R164.2 U9.13
PS_ON_SW: J50.2 TR11.3
QMOSI: U11.42 U12.1
QSCK: U11.51 U12.3
RESET: D20.2 J1.4 R30.1 U11.83
RESET_EXT: J49.1 R31.1
RPI_3.3V: C227.1 J48.17 U19.5
RXD0: J28.6 U11.21
RXD1: TP25.1 U7.16 U11.32
SCK0: J28.4 U11.144
SCK1: TP27.1 U1.14 U2.14 U3.14 U5.14 U6.14 U7.14 U11.46
SD_CD: R144.2 U11.129
SPI1_DATA_RDY: J48.22 U19.4
SPI1_MISO: J48.21 U19.6
SPI1_MOSI: J48.19 U17.3
SPI1_NPCS0: J48.24 R239.1
SPI1_SPCK: J48.23 U17.1
spi1cs0: R239.2 U11.133
spi1datardy: U11.7 U19.3
spi1miso: U11.13 U19.1
spi1mosi: U11.12 U17.4
spi1sck: U11.130 U17.6
SWCLK: J1.2 R177.1 U11.89
SWD_EXT_RST: J1.5 U11.55
SWDIO: J1.1 R178.1 U11.79
TEMP_0: C55.1 R29.2 U11.18
TEMP_1: C63.1 R32.2 U11.16
TEMP_2: C65.1 R33.2 U11.15
TEMP_3: C169.1 R113.2 U11.14
THERMISTOR_0: J13.2 R28.2 R29.1
THERMISTOR_1: J14.2 R32.1 R35.2
THERMISTOR_2: J15.2 R33.1 R34.2
THERMISTOR_3: J41.2 R113.1 R114.2
TXD0: J28.5 U11.20
TXD1: TP26.1 U1.15 U11.105
U0_CS0: J28.3 U11.73
U0_CS1: J28.1 U11.114
U0_CS2: J28.7 U11.65
U0_CS3: J28.9 U11.124
V_BK_IN: C137.1 C138.1 D3.1 L1.2 L2.2
V_FUSED: C20.2 C21.2 C28.1 C29.1 C30.1 C31.1 C32.2 C33.2 C34.2 C35.2 C36.2 C37.2 C38.2 C39.2 C70.1 C73.1 C78.2 C79.2 C87.1 C91.1 C92.1 C93.1 C94.2 C95.2 C96.2 C97.2 C98.2 C99.2 C100.2 C101.2 C126.2 C127.2 C134.1 C135.1 C207.1 C208.1 C209.2 C210.2 C211.2 C212.2 C213.2 C214.2 C215.2 C216.2 D3.2 D26.1 D27.1 D28.1 F1.1 J2.1 J10.2 J11.2 J12.2 J29.1 J52.1 Q1.6 Q2.6 Q3.6 Q4.6 Q5.5 Q6.5 Q7.5 Q8.5 Q9.6 Q10.6 Q11.6 Q12.6 Q13.5 Q14.5 Q15.5 Q16.5 Q17.6 Q18.6 Q19.6 Q20.6 Q21.5 Q22.5 Q23.5 Q24.5 R16.1 R42.2 R46.2 R49.2 R102.1 U1.33 U2.33 U3.33 U5.33 U6.33 U7.33
V_IN: F1.2 J9.2
V_OUT0_IN: F4.1 J9.4
V_OUT0_OUT: C170.1 F4.2 J9.5 R117.2
V_OUTLC1: D12.1 D18.1 D19.1 J6.2 J7.2 J8.2 J52.2
V_OUTLC2: D14.1 D16.1 D17.1 J3.1 J4.1 J5.1 J29.2
VREF_MON: C200.1 R28.1 R34.1 R35.1 R114.1 R175.2 R176.1 U11.11
VREFN: C55.2 C63.2 C65.2 C156.2 C169.2 C200.2 F2.2 NT1.1 NT2.1 U11.8
VREFP: C156.1 L5.2 R175.1 TP39.1 U11.9
Net-(C145-Pad1): C145.1 R123.2
Net-(C173-Pad1): C173.1 J43.CE
Net-(C177-Pad2): C177.2 R133.2 R134.1
Net-(C182-Pad1): C182.1 R148.1
Net-(C192-Pad1): C192.1 J46.4
Net-(C193-Pad1): C193.1 J46.5
Net-(D4-Pad2): D4.2 R16.2
Net-(D5-Pad2): D5.2 R17.2
Net-(D6-Pad2): D6.2 R18.2
Net-(D7-Pad2): D7.2 R21.2
Net-(D11-Pad2): D11.2 R42.1
Net-(D13-Pad2): D13.2 R46.1
Net-(D15-Pad2): D15.2 R49.1
Net-(D22-Pad2): D22.2 R117.1
Net-(D23-Pad2): D23.2 R130.2
Net-(D24-Pad1): D24.1
Net-(D30-Pad1): D30.1 F3.2
Net-(D37-Pad2): D37.2 R124.2
Net-(J23-Pad1): J23.1
Net-(J23-Pad6): J23.6
Net-(J28-Pad10): J28.10
Net-(J30-Pad1): J30.1 R108.2
Net-(J43-Pad2): J43.2 R121.1
Net-(J43-Pad3): J43.3 R120.1
Net-(J43-Pad4): J43.4
Net-(J46-Pad7): J46.7
Net-(J46-Pad9): J46.9 R150.2
Net-(J46-Pad11): J46.11 R188.1
Net-(J48-Pad1): J48.1
Net-(J48-Pad3): J48.3
Net-(J48-Pad5): J48.5
Net-(J48-Pad7): J48.7
Net-(J48-Pad8): J48.8
Net-(J48-Pad10): J48.10
Net-(J48-Pad11): J48.11
Net-(J48-Pad12): J48.12
Net-(J48-Pad13): J48.13
Net-(J48-Pad15): J48.15
Net-(J48-Pad16): J48.16
Net-(J48-Pad18): J48.18
Net-(J48-Pad26): J48.26
Net-(L7-Pad2): L7.2 R112.2
Net-(L11-Pad1): L11.1 U15.7
Net-(L11-Pad2): L11.2 U15.6
Net-(U1-Pad25): U1.25
Net-(U1-Pad27): U1.27
Net-(U2-Pad25): U2.25
Net-(U2-Pad27): U2.27
Net-(U3-Pad25): U3.25
Net-(U3-Pad27): U3.27
Net-(U5-Pad25): U5.25
Net-(U5-Pad27): U5.27
Net-(U6-Pad25): U6.25
Net-(U6-Pad27): U6.27
Net-(U7-Pad25): U7.25
Net-(U7-Pad27): U7.27
Net-(U11-Pad60): U11.60
Net-(U11-Pad67): U11.67
Net-(U11-Pad69): U11.69
Net-(U11-Pad93): U11.93
Net-(U11-Pad97): U11.97
Net-(U14-Pad6): U14.6
Net-(U14-Pad7): U14.7
Net-(U14-Pad8): U14.8
Net-(U14-Pad9): U14.9

Pads without a net: D38 2 5; D39 2 5; D40 2 5; D41 2 5; D42 2 5; D43 2 5; D44 2 5; D45 2 5; D46 2 5; D47 2 5; D48 2 5; D49 2 5; D50 2 5; D51 2 5; D52 2 5; D53 2 5; D54 2 5; D55 2 5; D56 2 5; D57 2 5; D58 2 5; D59 2 5; D60 2 5; D61 2 5; M1 ~; M2 ~; M3 ~; M9 ~

## Via types
v1: diameter 0.6, hole 0.4, Top to Bottom, 1414 vias
